# Altium PCB BLDC_DRIVER_1.1_auto.PcbDoc (part 2 of 3) (continued)
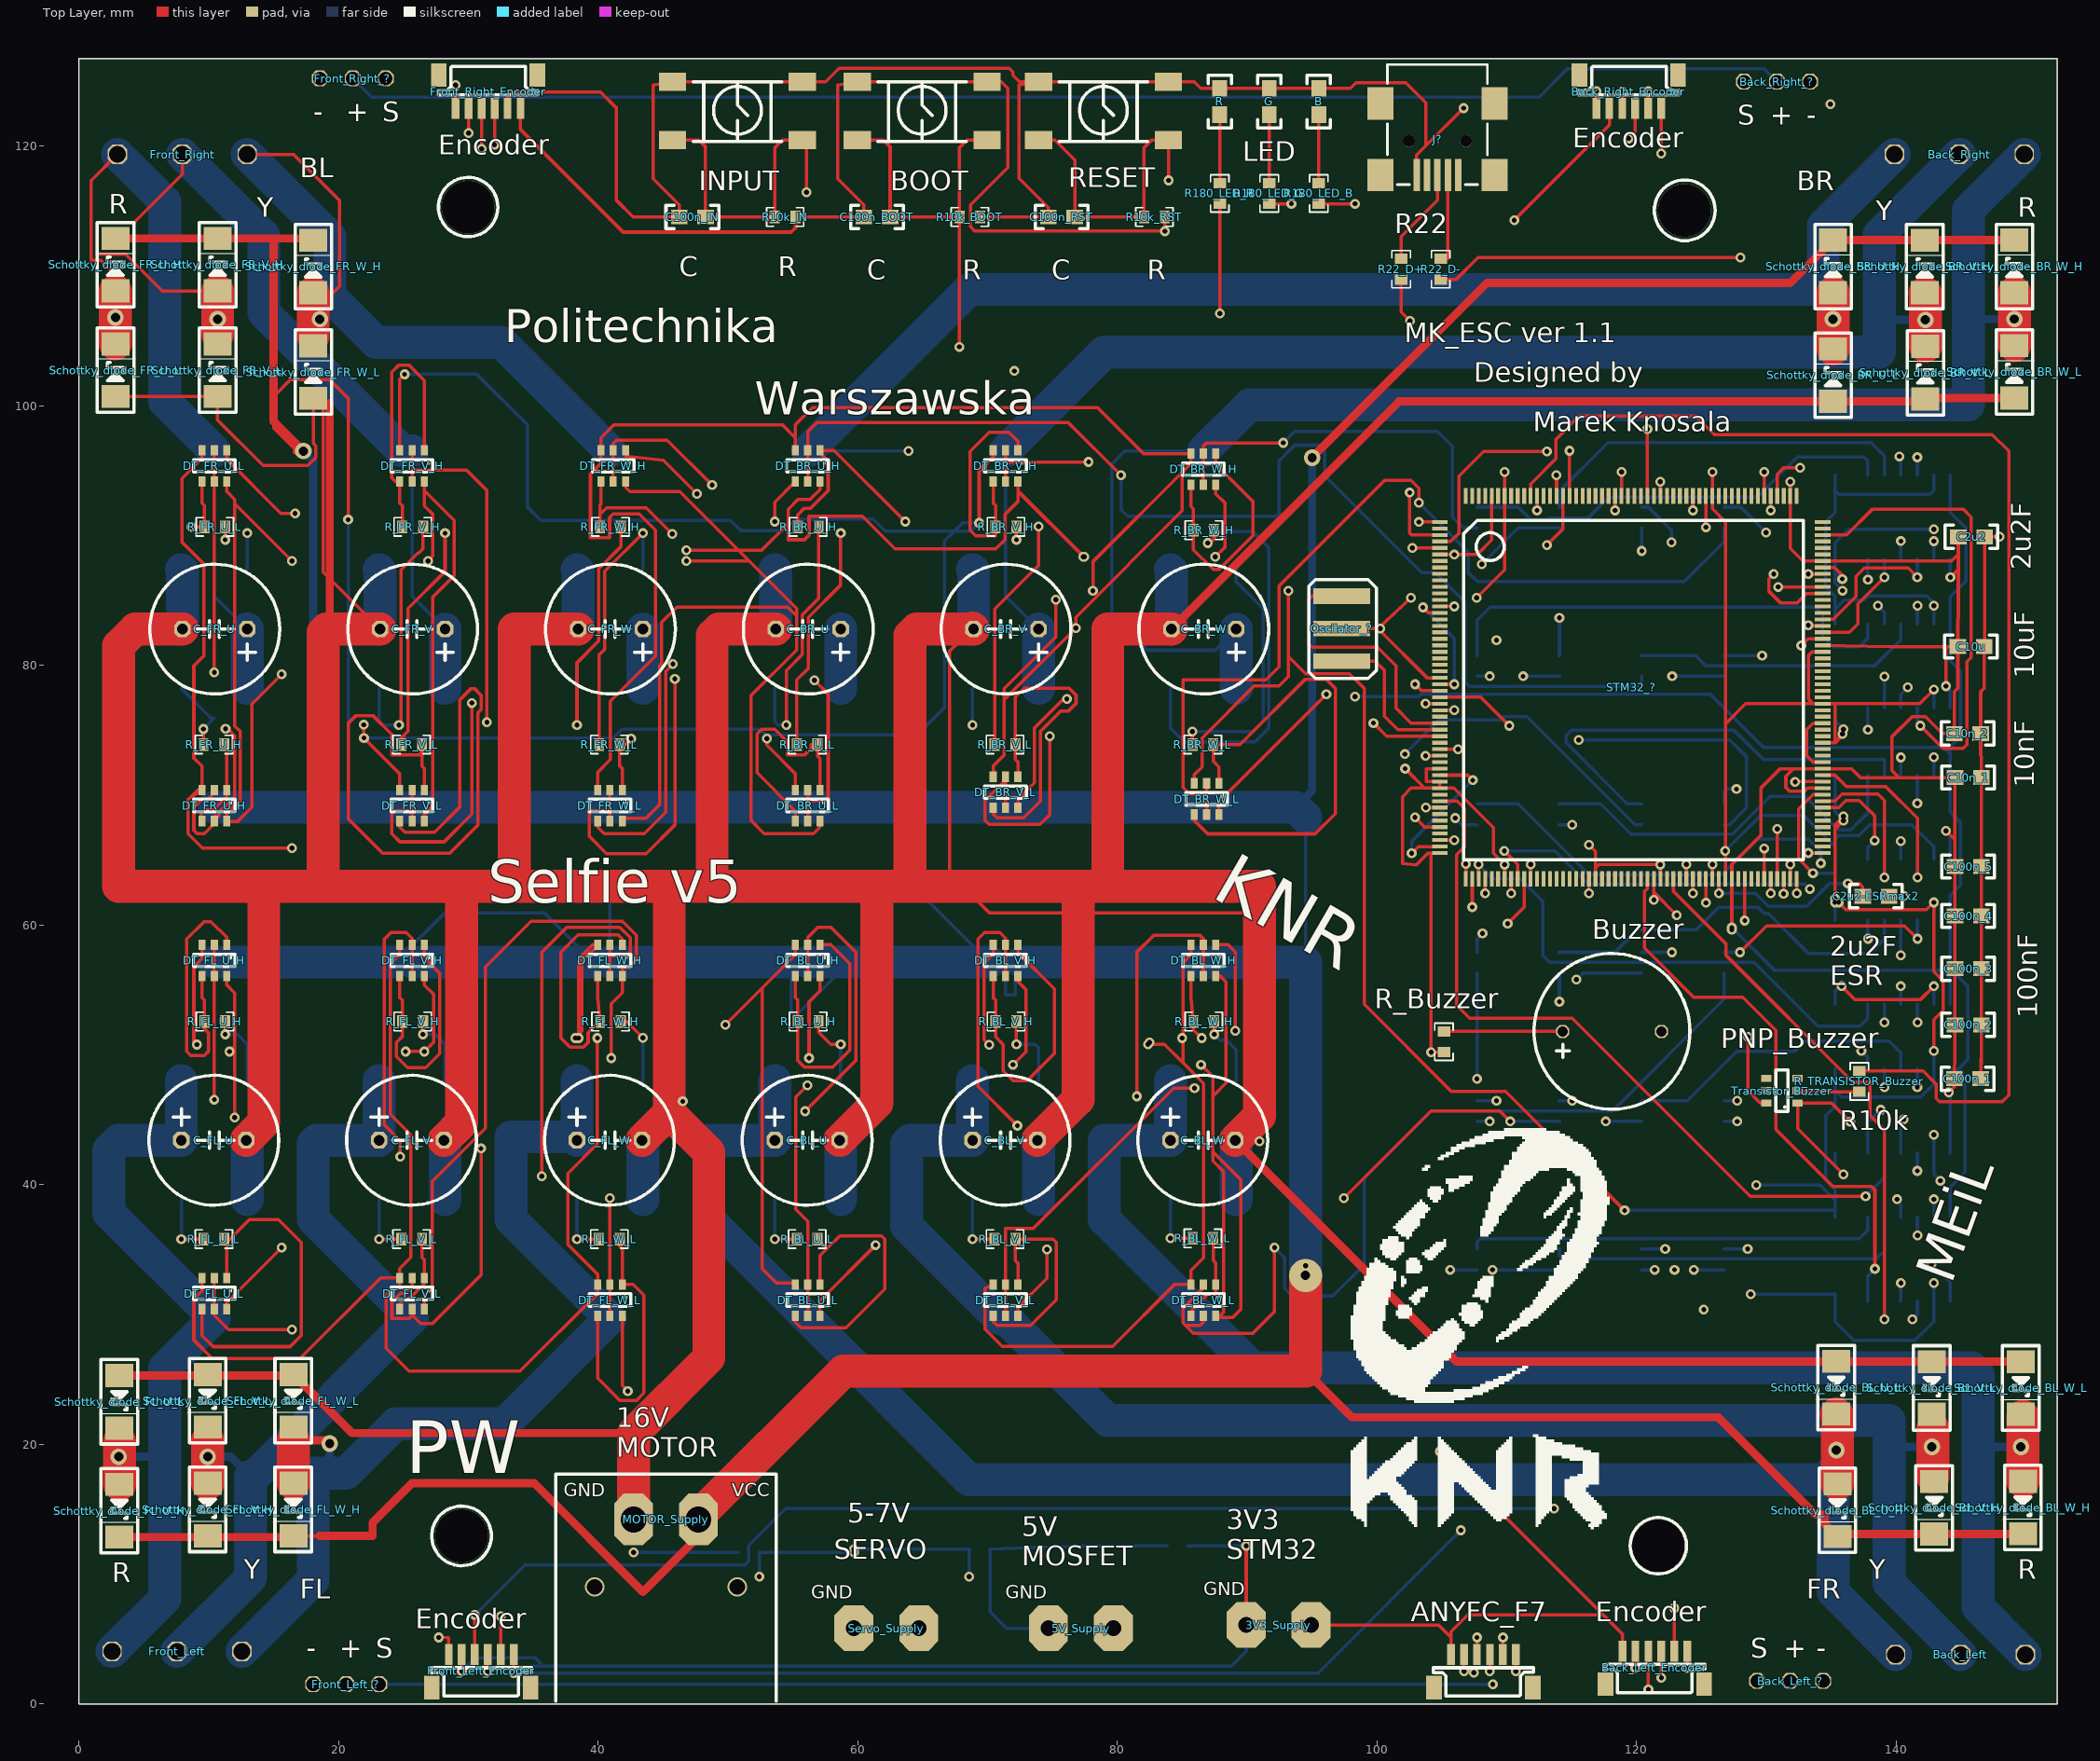
[diagram p0: Top Layer view]
## Nets (pads, with @x,y where several pads share a name; then routed paths per layer and width w, separated by ;. In a path a pad name is that pad's centre, name@x,y a point inside that pad or via, vN(x,y) a via of type N, cw(c..) or ccw(c..) an arc to the next point about the centre after c; other vN are vias at no path point) (continued)
  Signal Layer 2 w0.305: v1(83.947,117.373) 99.212,102.108 99.212,76.08 v1(99.72,75.572)
NetC_FL_U_1: C_FL_U.1 Front_Left.1 MOSFET_FL_U_H.S MOSFET_FL_U_L.D Schottky_diode_FL_U_H.1 Schottky_diode_FL_U_L.2 | length 64.1
  Top Layer w0.254: 3.102,20.233 3.2,20.233 3.2,21.249 Schottky_diode_FL_U_L.2@3.102,21.249
  Top Layer w2.54: Schottky_diode_FL_U_H.1@3.102,16.917 3.102,20.233
  Bottom Layer w0.635: v4(3.048,19.05) 5.842,19.05 6.604,18.288
  Bottom Layer w2.54: Front_Left.1@2.54,4.064 6.604,8.128 6.604,18.288 6.604,25.902 MOSFET_FL_U_L.D@10.414,29.712 2.286,37.84 2.286,42.672 3.048,43.434 C_FL_U.1@7.874,43.434 MOSFET_FL_U_H.S@7.874,48.006
NetC_FL_V_1: C_FL_V.1 Front_Left.2 MOSFET_FL_V_H.S MOSFET_FL_V_L.D Schottky_diode_FL_V_H.1 Schottky_diode_FL_V_L.2 | length 68.2
  Top Layer w0.254: 9.906,20.32 10.008,20.32 10.008,21.336 Schottky_diode_FL_V_L.2@9.906,21.336
  Top Layer w2.54: Schottky_diode_FL_V_H.1@9.906,17.004 v4(9.906,19.05) 9.906,20.32
  Bottom Layer w0.635: v4(9.906,19.05) 11.684,19.05 13.208,17.526
  Bottom Layer w2.54: Front_Left.2@7.54,4.064 13.208,9.732 13.208,17.526 13.468,17.526 MOSFET_FL_V_L.D@25.654,29.712 18.034,37.332 18.034,43.18 18.288,43.434 C_FL_V.1@23.114,43.434 MOSFET_FL_V_H.S@23.114,48.006
NetC_FL_W_1: C_FL_W.1 Front_Left.3 MOSFET_FL_W_H.S MOSFET_FL_W_L.D Schottky_diode_FL_W_H.1 Schottky_diode_FL_W_L.2 | length 84
  Top Layer w0.254: Schottky_diode_FL_W_H.1@16.51,17.004 16.51,20.32 Schottky_diode_FL_W_L.2@16.51,21.336
  Top Layer w0.635: 16.51,20.32 19.05,20.32 v4(19.304,20.066)
  Top Layer w2.54: Schottky_diode_FL_W_H.1@16.51,17.004 16.51,20.32
  Bottom Layer w0.635: 18.034,17.78 19.304,19.05 v4(19.304,20.066)
  Bottom Layer w2.54: Front_Left.3@12.54,4.064 18.034,9.558 18.034,17.78 20.574,17.78 24.378,21.584 32.766,21.584 MOSFET_FL_W_L.D@40.894,29.712 33.274,37.332 33.274,43.688 38.1,43.688 C_FL_W.1@38.354,43.434 MOSFET_FL_W_H.S@38.354,48.006
NetC_FR_U_1: C_FR_U.1 Front_Right.3 MOSFET_FR_U_H.S MOSFET_FR_U_L.D Schottky_diode_FR_U_H.1 Schottky_diode_FR_U_L.2 | length 61.9
  Top Layer w0.254: Schottky_diode_FR_U_H.1@2.794,108.853 2.794,110.109 1.677,111.226 0.927,111.226 0.927,117.353 Front_Right.3@2.954,119.38
  Top Layer w2.54: Schottky_diode_FR_U_L.2@2.794,104.775 v2(2.794,106.814) Schottky_diode_FR_U_H.1@2.794,108.853
  Bottom Layer w0.254: MOSFET_FR_U_L.D@10.414,96.526 10.414,85.344 C_FR_U.1@12.954,82.804
  Bottom Layer w2.54: Front_Right.3@2.954,119.38 6.604,115.73 6.604,100.336 MOSFET_FR_U_L.D@10.414,96.526 ; MOSFET_FR_U_H.S@12.954,78.232 C_FR_U.1@12.954,82.804
NetC_FR_V_1: C_FR_V.1 Front_Right.2 MOSFET_FR_V_H.S MOSFET_FR_V_L.D Schottky_diode_FR_V_H.1 Schottky_diode_FR_V_L.2 | length 76.8
  Top Layer w0.254: Front_Right.2@7.954,119.38 7.954,117.856 4.221,114.123 1.384,114.123 1.384,111.683 3.582,111.683 6.412,108.853 Schottky_diode_FR_V_H.1@10.668,108.853 ; Schottky_diode_FR_V_L.2@10.668,104.775 10.77,104.775 10.77,105.537 Schottky_diode_FR_V_L.2@10.668,105.537
  Top Layer w2.54: Schottky_diode_FR_V_L.2@10.668,105.537 v2(10.668,106.68) Schottky_diode_FR_V_H.1@10.668,108.853
  Bottom Layer w0.254: MOSFET_FR_V_L.D@25.654,96.526 25.654,85.344 C_FR_V.1@28.194,82.804
  Bottom Layer w2.54: Front_Right.2@7.954,119.38 14.224,113.11 14.224,107.188 24.886,96.526 MOSFET_FR_V_L.D@25.654,96.526 ; MOSFET_FR_V_H.S@28.194,78.232 C_FR_V.1@28.194,82.804
NetC_FR_W_1: C_FR_W.1 Front_Right.1 MOSFET_FR_W_H.S MOSFET_FR_W_L.D Schottky_diode_FR_W_H.1 Schottky_diode_FR_W_L.2 | length 103.7
  Top Layer w0.254: Front_Right.1@12.954,119.38 16.51,119.38 20.066,115.824 20.066,109.22 19.558,108.712 19.177,108.712 ; Schottky_diode_FR_W_L.2@18.034,104.634 18.136,104.634 18.136,105.396 Schottky_diode_FR_W_L.2@18.034,105.396 ; Schottky_diode_FR_W_H.1@18.034,108.712 19.177,108.712 ; v2(18.542,106.68) 19.431,107.569 19.431,108.458 19.177,108.712
  Top Layer w2.54: Schottky_diode_FR_W_L.2@18.034,105.396 Schottky_diode_FR_W_H.1@18.034,108.712
  Signal Layer 2 w0.305: v2(18.542,106.68) 19.558,106.68 C_FR_W.1@43.434,82.804
  Bottom Layer w2.54: Front_Right.1@12.954,119.38 19.304,113.03 19.304,108.458 22.86,104.902 32.518,104.902 MOSFET_FR_W_L.D@40.894,96.526 ; MOSFET_FR_W_H.S@43.434,78.232 C_FR_W.1@43.434,82.804
NetDT_BL_U_H_1: DT_BL_U_H.1 DT_BL_U_H.4 R_BL_U_H.1 | length 21
  Top Layer w0.254: DT_BL_U_H.4@55.184,56.076 55.184,54.417 55.372,54.229 R_BL_U_H.1@55.372,52.578 55.372,49.555 55.88,49.047 58.06,49.047 59.385,50.373 59.385,57.023 57.912,58.496 57.084,58.496 DT_BL_U_H.1@57.084,58.476
NetDT_BL_U_H_2: DT_BL_U_H.2 DT_BL_U_H.5 R_DT_BL_U_H.2 | length 87
  Top Layer w0.254: v1(55.931,45.669) 59.842,49.581 59.842,57.912 57.937,59.817 56.896,59.817 56.134,59.055 DT_BL_U_H.2@56.134,58.476 DT_BL_U_H.5@56.134,56.076
  Signal Layer 1 w0.305: v1(55.931,45.669) 56.058,45.796 84.049,45.796 84.658,45.187 87.681,45.187 88.163,45.669 116.84,45.669 v1(117.627,44.882)
  Bottom Layer w0.254: v1(117.627,44.882) R_DT_BL_U_H.2@120.396,44.882
NetDT_BL_U_L_1: DT_BL_U_L.1 DT_BL_U_L.4 R_BL_U_L.1 | length 21.6
  Top Layer w0.254: DT_BL_U_L.4@55.184,29.914 55.184,29.423 55.626,28.981 59.08,28.981 62.078,31.979 62.078,35.814 61.824,36.068 58.608,36.068 57.625,35.085 ; R_BL_U_L.1@56.896,35.814 57.625,35.085 ; DT_BL_U_L.1@57.084,32.314 57.084,34.544 57.625,35.085
NetDT_BL_U_L_2: DT_BL_U_L.2 DT_BL_U_L.5 R_DT_BL_U_L.2 | length 82.5
  Top Layer w0.254: v1(56.109,47.65) 55.22,46.761 55.22,38.1 56.134,37.186 DT_BL_U_L.2@56.134,32.314 DT_BL_U_L.5@56.134,29.914
  Signal Layer 1 w0.305: v1(56.109,47.65) 83.732,47.65 85.179,46.203 86.165,46.203 94.065,54.102 v1(114.046,54.102)
  Bottom Layer w0.254: v1(114.046,54.102) R_DT_BL_U_L.2@114.046,56.312
NetDT_BL_V_H_1: DT_BL_V_H.1 DT_BL_V_H.4 R_BL_V_H.1 | length 22.3
  Top Layer w0.254: DT_BL_V_H.4@70.424,56.076 70.424,54.417 70.612,54.229 R_BL_V_H.1@70.612,52.578 70.612,51.384 71.196,50.8 71.196,48.768 71.933,48.031 73.05,48.031 75.133,50.114 75.133,55.103 72.324,57.912 DT_BL_V_H.1@72.324,58.476
NetDT_BL_V_H_2: DT_BL_V_H.2 DT_BL_V_H.5 R_DT_BL_V_H.2 | length 79.4
  Top Layer w0.254: DT_BL_V_H.5@71.374,56.076 DT_BL_V_H.2@71.374,58.476 71.374,59.004 70.942,59.436 69.748,59.436 69.24,58.928 69.24,47.6 v1(72.288,44.552)
  Signal Layer 1 w0.305: v1(72.288,44.552) 80.975,44.552 83.083,42.443 125.298,42.443 v1(127.737,44.882)
  Bottom Layer w0.254: R_DT_BL_V_H.2@126.746,44.882 v1(127.737,44.882)
NetDT_BL_V_L_1: DT_BL_V_L.1 DT_BL_V_L.4 R_BL_V_L.1 | length 17.5
  Top Layer w0.254: DT_BL_V_L.4@70.424,29.914 70.424,29.464 70.729,29.159 73.304,29.159 75.286,31.14 75.286,35.56 75.032,35.814 R_BL_V_L.1@72.136,35.814 72.136,34.148 72.324,33.96 DT_BL_V_L.1@72.324,32.314
NetDT_BL_V_L_2: DT_BL_V_L.2 DT_BL_V_L.5 R_DT_BL_V_L.2 | length 64.3
  Top Layer w0.254: DT_BL_V_L.5@71.374,29.914 DT_BL_V_L.2@71.374,32.314 71.374,36.627 73.508,36.627 84.328,47.447 v1(85.928,47.447)
  Signal Layer 1 w0.305: v1(85.928,47.447) 94.793,56.312 114.859,56.312 v1(115.367,55.804)
  Bottom Layer w0.254: v1(115.367,55.804) 115.875,56.312 R_DT_BL_V_L.2@120.396,56.312
NetDT_BL_W_H_1: DT_BL_W_H.1 DT_BL_W_H.4 R_BL_W_H.1 | length 16.1
  Top Layer w0.254: DT_BL_W_H.4@85.664,56.076 85.664,54.417 R_BL_W_H.1@85.852,52.578 85.852,51.943 v1(86.487,51.308) ; DT_BL_W_H.1@87.564,58.476 87.564,58.496 88.519,58.496 89.078,57.937 v1(89.078,51.867)
  Signal Layer 1 w0.305: v1(86.487,51.308) 86.995,50.8 88.011,50.8 v1(89.078,51.867)
NetDT_BL_W_H_2: DT_BL_W_H.2 DT_BL_W_H.5 R_DT_BL_W_H.2 | length 55.6
  Top Layer w0.254: v1(81.483,46.812) 81.483,57.912 82.779,59.207 86.36,59.207 86.614,58.953 DT_BL_W_H.2@86.614,58.476 DT_BL_W_H.5@86.614,56.076
  Signal Layer 1 w0.305: v1(81.483,46.812) 83.845,46.812 84.963,45.695 86.893,45.695 89.357,48.158 v1(107.696,48.158)
  Bottom Layer w0.254: v1(107.696,48.158) R_DT_BL_W_H.2@107.696,56.312
NetDT_BL_W_L_1: DT_BL_W_L.1 DT_BL_W_L.4 R_BL_W_L.1 | length 7.2
  Top Layer w0.254: DT_BL_W_L.4@85.664,29.914 85.664,30.28 86.956,31.572 87.564,31.572 DT_BL_W_L.1@87.564,32.314 87.564,33.985 87.376,34.173 R_BL_W_L.1@87.376,35.872
NetDT_BL_W_L_2: DT_BL_W_L.2 DT_BL_W_L.5 R_DT_BL_W_L.2 | length 71.6
  Top Layer w0.254: DT_BL_W_L.5@86.614,29.914 86.614,29.413 86.36,29.159 85.242,29.159 ; DT_BL_W_L.2@86.614,32.314 86.614,32.055 85.039,30.48 85.039,29.362 85.242,29.159 ; v1(92.1,35.154) 92.1,30.226 90.424,28.55 85.852,28.55 85.242,29.159
  Bottom Layer w0.254: v1(92.1,35.154) 92.888,34.366 92.888,32.004 93.472,31.42 96.571,31.42 99.009,33.858 99.009,40.513 104.191,45.695 118.135,45.695 126.746,54.305 R_DT_BL_W_L.2@126.746,56.312
NetDT_BR_U_H_1: DT_BR_U_H.1 DT_BR_U_H.4 R_BR_U_H.1 | length 30.1
  Top Layer w0.254: v1(53.594,91.084) 53.594,92.586 DT_BR_U_H.4@55.184,94.176 ; R_BR_U_H.1@55.372,90.678 55.372,91.618 55.88,92.126 56.363,92.126 57.709,93.472 57.709,95.734 57.084,96.359 DT_BR_U_H.1@57.084,96.576 58.161,96.576 v1(63.652,91.084)
  Signal Layer 1 w0.305: v1(53.594,91.084) v1(63.652,91.084)
NetDT_BR_U_H_2: DT_BR_U_H.2 DT_BR_U_H.5 R_DT_BR_U_H.2 | length 90.7
  Top Layer w0.254: DT_BR_U_H.5@56.134,94.176 DT_BR_U_H.2@56.134,96.576 56.134,98.019 56.845,98.73 76.2,98.73 v1(80.264,94.666)
  Bottom Layer w0.254: v1(80.264,94.666) 80.264,91.999 80.772,91.491 92.202,91.491 92.456,91.745 92.456,95.783 93.65,96.977 95.504,96.977 95.961,96.52 95.961,94.615 103.429,87.147 104.496,87.147 106.756,84.887 106.756,78.74 107.112,78.384 120.142,78.384 120.396,78.638 R_DT_BR_U_H.2@120.396,79.172
NetDT_BR_U_L_1: DT_BR_U_L.1 DT_BR_U_L.4 R_BR_U_L.1 | length 18.3
  Top Layer w0.254: DT_BR_U_L.4@55.184,68.014 55.184,68.783 52.222,71.745 52.222,74.727 52.578,75.082 53.59,75.082 54.572,74.1 54.572,73.101 55.88,73.101 56.388,73.609 56.388,73.914 R_BR_U_L.1@56.896,73.914 56.896,73.02 57.084,72.832 DT_BR_U_L.1@57.084,70.414
NetDT_BR_U_L_2: DT_BR_U_L.2 DT_BR_U_L.5 R_DT_BR_U_L.2 | length 75.9
  Top Layer w0.254: DT_BR_U_L.5@56.134,68.014 56.134,69.85 ; DT_BR_U_L.2@56.134,70.414 56.134,69.85 ; v1(56.642,78.867) 57.709,77.8 57.709,69.85 57.455,69.596 56.388,69.596 56.134,69.85
  Signal Layer 1 w0.305: v1(56.642,78.867) 58.166,80.391 78.664,80.391 82.906,84.633 98.019,84.633 101.194,87.808 v1(108.077,87.808)
  Bottom Layer w0.254: v1(108.077,87.808) 110.871,90.602 R_DT_BR_U_L.2@114.046,90.602
NetDT_BR_V_H_1: DT_BR_V_H.1 DT_BR_V_H.4 R_BR_V_H.1 | length 17.8
  Top Layer w0.254: DT_BR_V_H.4@70.424,94.176 70.424,92.517 70.612,92.329 R_BR_V_H.1@70.612,90.678 70.612,89.992 69.063,89.992 68.631,90.424 68.631,96.495 70.104,97.968 71.628,97.968 72.324,97.272 DT_BR_V_H.1@72.324,96.576
NetDT_BR_V_H_2: DT_BR_V_H.2 DT_BR_V_H.5 R_DT_BR_V_H.2 | length 71.7
  Top Layer w0.254: DT_BR_V_H.5@71.374,94.176 71.374,96.012 ; DT_BR_V_H.2@71.374,96.576 71.374,96.012 ; v1(77.775,95.682) 71.704,95.682 71.374,96.012
  Signal Layer 1 w0.305: v1(77.775,95.682) 90.043,95.682 90.754,94.971 107.163,94.971 109.214,92.919 112.643,92.919 113.055,92.507 113.055,90.373 112.344,89.662 112.344,82.337 115.509,79.172 v1(122.733,79.172)
  Bottom Layer w0.254: v1(122.733,79.172) R_DT_BR_V_H.2@126.746,79.172
NetDT_BR_V_L_1: DT_BR_V_L.1 DT_BR_V_L.4 R_BR_V_L.1 | length 25.8
  Top Layer w0.254: DT_BR_V_L.4@70.424,69.03 70.424,68.58 70.729,68.275 72.771,68.275 74.066,69.571 74.066,74.93 75.616,76.479 76.2,76.479 76.81,77.089 76.81,77.724 76.276,78.257 72.822,78.257 72.136,77.572 R_BR_V_L.1@72.136,73.914 72.136,72.756 72.324,72.568 DT_BR_V_L.1@72.324,71.43
NetDT_BR_V_L_2: DT_BR_V_L.2 DT_BR_V_L.5 R_DT_BR_V_L.2 | length 74.2
  Top Layer w0.254: DT_BR_V_L.5@71.374,69.03 71.374,70.993 ; DT_BR_V_L.2@71.374,71.43 71.374,70.993 ; v1(74.778,74.549) 74.778,68.508 74.037,67.767 70.104,67.767 69.799,68.072 69.799,69.596 71.196,70.993 71.374,70.993
  Signal Layer 2 w0.305: v1(74.778,74.549) 75.413,73.914 100.552,73.914 100.965,74.327 100.965,79.248 102.52,80.803 106.432,80.803 112.776,87.147 118.72,87.147 v1(120.396,88.824)
  Bottom Layer w0.254: v1(120.396,88.824) R_DT_BR_V_L.2@120.396,90.602
NetDT_BR_W_H_1: DT_BR_W_H.1 DT_BR_W_H.4 R_BR_W_H.1 | length 18.9
  Top Layer w0.254: DT_BR_W_H.4@85.664,93.922 85.664,92.263 85.852,92.075 R_BR_W_H.1@85.852,90.424 85.852,88.925 87.376,87.401 87.835,87.401 90.424,89.99 90.424,92.644 87.564,95.504 DT_BR_W_H.1@87.564,96.322
NetDT_BR_W_H_2: DT_BR_W_H.2 DT_BR_W_H.5 R_DT_BR_W_H.2 | length 30.8
  Top Layer w0.254: DT_BR_W_H.5@86.614,93.922 DT_BR_W_H.2@86.614,96.322 86.614,96.901 86.868,97.155 v1(92.761,97.155)
  Bottom Layer w0.254: v1(92.761,97.155) 93.65,98.044 104.648,98.044 105.816,96.876 105.816,91.44 106.655,90.602 R_DT_BR_W_H.2@107.696,90.602
NetDT_BR_W_L_1: DT_BR_W_L.1 DT_BR_W_L.4 R_BR_W_L.1 | length 37
  Top Layer w0.254: DT_BR_W_L.4@85.918,68.522 85.918,68.072 86.959,67.031 95.225,67.031 96.799,68.605 96.799,78.232 96.114,78.918 94.437,78.918 89.433,73.914 R_BR_W_L.1@87.376,73.914 87.376,72.629 87.818,72.187 DT_BR_W_L.1@87.818,70.922
NetDT_BR_W_L_2: DT_BR_W_L.2 DT_BR_W_L.5 R_DT_BR_W_L.2 | length 71.7
  Top Layer w0.254: DT_BR_W_L.5@86.868,68.522 86.868,70.358 ; DT_BR_W_L.2@86.868,70.922 86.868,70.358 ; v1(103.226,92.532) 103.226,93.65 102.616,94.259 100.584,94.259 92.456,86.131 92.456,79.908 91.44,78.892 85.065,78.892 85.039,78.867 85.039,70.612 85.547,70.104 86.614,70.104 86.868,70.358
  Bottom Layer w0.254: v1(103.226,92.532) 107.01,88.748 107.01,87.173 107.696,86.487 123.698,86.487 126.746,89.535 R_DT_BR_W_L.2@126.746,90.602
NetDT_FL_U_H_1: DT_FL_U_H.1 DT_FL_U_H.4 R_FL_U_H.1 | length 21.3
  Top Layer w0.254: DT_FL_U_H.4@9.464,56.076 9.464,54.417 9.652,54.229 R_FL_U_H.1@9.652,52.578 9.652,52.019 9.957,51.714 9.957,50.267 9.652,49.962 8.611,49.962 8.28,50.292 8.28,58.928 9.627,60.274 10.16,60.274 11.364,59.07 DT_FL_U_H.1@11.364,58.476
NetDT_FL_U_H_2: DT_FL_U_H.2 DT_FL_U_H.5 R_DT_FL_U_H.2 | length 114.6
  Top Layer w0.254: v1(10.414,46.558) DT_FL_U_H.5@10.414,56.076 DT_FL_U_H.2@10.414,58.476
  Signal Layer 1 w0.305: v1(10.414,46.558) 15.646,46.558 24.74,37.465 101.625,37.465 v1(105.639,33.452)
  Bottom Layer w0.254: v1(105.639,33.452) R_DT_FL_U_H.2@107.696,33.452
NetDT_FL_U_L_1: DT_FL_U_L.1 DT_FL_U_L.4 R_FL_U_L.1 | length 27.8
  Top Layer w0.254: DT_FL_U_L.4@9.464,30.422 9.464,28.39 10.32,27.534 16.256,27.534 17.12,28.397 17.12,35.56 15.367,37.313 13.117,37.313 R_FL_U_L.1@11.364,35.56 ; R_FL_U_L.1@11.176,35.814 R_FL_U_L.1@11.364,35.56 ; DT_FL_U_L.1@11.364,32.822 R_FL_U_L.1@11.364,35.56
NetDT_FL_U_L_2: DT_FL_U_L.2 DT_FL_U_L.5 R_DT_FL_U_L.2 | length 125.7
  Top Layer w0.254: DT_FL_U_L.2@10.414,32.822 DT_FL_U_L.5@10.414,30.422 10.414,29.949 11.515,28.848 v1(16.408,28.848)
  Signal Layer 1 w0.305: v1(16.408,28.848) 21.139,33.579 80.34,33.579 83.464,36.703 97.028,36.703 101.956,31.775 122.733,31.775 v1(124.409,33.452)
  Bottom Layer w0.254: v1(124.409,33.452) R_DT_FL_U_L.2@126.746,33.452
NetDT_FL_V_H_1: DT_FL_V_H.1 DT_FL_V_H.4 R_FL_V_H.1 | length 19.5
  Top Layer w0.254: DT_FL_V_H.4@24.704,56.076 24.704,54.417 24.892,54.229 R_FL_V_H.1@24.892,52.578 24.892,51.41 24.435,50.952 24.435,49.886 25.298,49.022 26.703,49.022 27.788,50.106 27.788,56.297 26.604,57.48 DT_FL_V_H.1@26.604,58.476
NetDT_FL_V_H_2: DT_FL_V_H.2 DT_FL_V_H.5 R_DT_FL_V_H.2 | length 115.6
  Top Layer w0.254: v1(24.74,42.164) 24.74,43.383 23.52,44.602 23.52,58.928 24.028,59.436 25.197,59.436 25.654,58.979 DT_FL_V_H.2@25.654,58.476 DT_FL_V_H.5@25.654,56.076
  Signal Layer 1 w0.305: v1(24.74,42.164) 24.968,41.935 100.406,41.935 v1(108.89,33.452)
  Bottom Layer w0.254: v1(108.89,33.452) R_DT_FL_V_H.2@114.046,33.452
NetDT_FL_V_L_1: DT_FL_V_L.1 DT_FL_V_L.4 R_FL_V_L.1 | length 6.5
  Top Layer w0.254: DT_FL_V_L.4@24.704,30.422 24.704,30.845 25.05,31.191 25.4,31.191 26.604,32.395 DT_FL_V_L.1@26.604,32.822 26.604,34.214 26.416,34.402 R_FL_V_L.1@26.416,35.814
NetDT_FL_V_L_2: DT_FL_V_L.2 DT_FL_V_L.5 R_DT_FL_V_L.2 | length 103.1
  Top Layer w0.254: DT_FL_V_L.5@25.654,30.422 25.654,29.972 ; DT_FL_V_L.2@25.654,32.822 25.654,32.092 25.211,31.648 24.765,31.648 24.099,30.982 24.099,29.692 25.4,29.692 25.654,29.946 25.654,29.972 ; v1(30.963,42.799) 30.963,33.045 27.229,29.312 26.314,29.312 25.654,29.972
  Signal Layer 1 w0.305: v1(30.963,42.799) 32.588,44.425 69.825,44.425 70.688,45.288 72.771,45.288 72.949,45.11 82.804,45.11 83.236,44.679 108.483,44.679 v1(108.687,44.882)
  Bottom Layer w0.254: R_DT_FL_V_L.2@107.696,44.882 v1(108.687,44.882)
NetDT_FL_W_H_1: DT_FL_W_H.1 DT_FL_W_H.4 R_FL_W_H.1 | length 20.6
  Top Layer w0.254: DT_FL_W_H.4@39.944,56.076 39.944,54.417 R_FL_W_H.1@40.132,52.578 40.081,52.578 39.218,51.714 39.218,50.952 38.862,50.597 37.821,50.597 37.109,51.308 37.109,57.912 38.456,59.258 41.514,59.258 41.844,58.928 DT_FL_W_H.1@41.844,58.476
NetDT_FL_W_H_2: DT_FL_W_H.2 DT_FL_W_H.5 R_DT_FL_W_H.2 | length 120.9
  Top Layer w0.254: v1(35.636,40.665) 35.636,57.912 37.567,59.842 41.656,59.842 42.469,59.03 42.469,57.912 42.215,57.658 41.148,57.658 40.894,57.912 ; DT_FL_W_H.5@40.894,56.076 40.894,57.912 ; DT_FL_W_H.2@40.894,58.476 40.894,57.912
  Signal Layer 1 w0.305: v1(35.636,40.665) 99.898,40.665 107.848,32.715 120.65,32.715 v1(121.387,33.452)
  Bottom Layer w0.254: R_DT_FL_W_H.2@120.396,33.452 v1(121.387,33.452)
NetDT_FL_W_L_1: DT_FL_W_L.1 DT_FL_W_L.4 R_FL_W_L.1 | length 22.5
  Top Layer w0.254: DT_FL_W_L.4@39.944,29.914 39.944,25.105 41.656,23.393 42.951,23.393 43.51,23.952 43.51,31.496 42.672,32.334 DT_FL_W_L.1@41.844,32.334 ; R_FL_W_L.1@41.656,35.814 41.656,35.291 41.844,35.103 DT_FL_W_L.1@41.844,32.334 ; DT_FL_W_L.1@41.844,32.314 DT_FL_W_L.1@41.844,32.334
NetDT_FL_W_L_2: DT_FL_W_L.2 DT_FL_W_L.5 R_DT_FL_W_L.2 | length 85.3
  Top Layer w0.254: DT_FL_W_L.5@40.894,29.914 DT_FL_W_L.2@40.894,32.314 v1(40.894,38.964) ; v1(97.434,38.964) 104.165,45.695 109.449,45.695 v1(110.261,44.882)
  Signal Layer 1 w0.305: v1(40.894,38.964) v1(97.434,38.964)
  Bottom Layer w0.254: v1(110.261,44.882) R_DT_FL_W_L.2@114.046,44.882
NetDT_FR_U_H_1: DT_FR_U_H.1 DT_FR_U_H.4 R_FR_U_H.1 | length 7.2
  Top Layer w0.254: DT_FR_U_H.4@9.464,68.014 9.406,68.072 9.406,68.58 9.694,68.868 10.321,68.868 11.364,69.911 DT_FR_U_H.1@11.364,70.414 11.364,73.726 R_FR_U_H.1@11.176,73.914
NetDT_FR_U_H_2: DT_FR_U_H.2 DT_FR_U_H.5 R_DT_FR_U_H.2 | length 124
  Top Layer w0.254: DT_FR_U_H.2@10.414,70.414 10.414,70.358 10.414,70.18 9.906,69.672 9.423,69.672 8.839,69.088 8.839,67.31 9.093,67.056 9.648,67.056 10.414,67.822 DT_FR_U_H.5@10.414,68.014 10.414,68.377 10.744,68.377 10.744,68.645 11.969,69.87 11.969,74.594 11.43,75.133 v1(11.278,75.133)
  Signal Layer 1 w0.305: v1(11.278,75.133) 15.189,71.222 97.027,71.222 101.244,67.005 103.158,67.005 104.378,65.786 106.971,65.786 108.927,67.742 v1(115.037,67.742)
  Bottom Layer w0.254: R_DT_FR_U_H.2@114.046,67.742 v1(115.037,67.742)
NetDT_FR_U_L_1: DT_FR_U_L.1 DT_FR_U_L.4 R_FR_U_L.1 | length 20.7
  Top Layer w0.254: v1(8.661,90.678) R_FR_U_L.1@9.652,90.678 9.652,92.329 9.464,92.517 DT_FR_U_L.4@9.464,94.176 ; DT_FR_U_L.1@11.364,96.576 11.364,95.9 15.545,91.719 v1(16.637,91.719)
  Signal Layer 1 w0.305: v1(8.661,90.678) 9.703,91.719 v1(16.637,91.719)
NetDT_FR_U_L_2: DT_FR_U_L.2 DT_FR_U_L.5 R_DT_FR_U_L.2 | length 119.2
  Top Layer w0.254: v1(10.414,79.477) DT_FR_U_L.5@10.414,94.176 DT_FR_U_L.2@10.414,96.576
  Signal Layer 1 w0.305: v1(10.414,79.477) 12.268,77.622 24.917,77.622 29.235,73.304 99.06,73.304 101.321,71.044 103.226,71.044 v1(106.02,68.25)
  Bottom Layer w0.254: v1(106.02,68.25) 106.528,67.742 R_DT_FR_U_L.2@107.696,67.742
NetDT_FR_V_H_1: DT_FR_V_H.1 DT_FR_V_H.4 R_FR_V_H.1 | length 21.1
  Top Layer w0.254: DT_FR_V_H.4@24.704,94.176 DT_FR_V_H.4@24.704,94.158 ; R_FR_V_H.1@24.892,90.678 24.892,92.329 24.704,92.517 DT_FR_V_H.4@24.704,94.158 ; DT_FR_V_H.1@26.604,96.576 26.604,101.945 25.4,103.149 24.638,103.149 24.079,102.591 24.079,94.463 24.384,94.158 DT_FR_V_H.4@24.704,94.158
NetDT_FR_V_H_2: DT_FR_V_H.2 DT_FR_V_H.5 R_DT_FR_V_H.2 | length 121.8
  Top Layer w0.254: DT_FR_V_H.5@25.654,94.176 25.654,94.818 ; DT_FR_V_H.2@25.654,96.576 25.654,94.818 ; v1(31.42,75.641) 31.42,93.472 29.82,95.072 25.908,95.072 25.654,94.818
  Signal Layer 1 w0.305: v1(31.42,75.641) 31.928,76.149 81.61,76.149 83.668,74.092 101.219,74.092 v1(102.133,73.177)
  Bottom Layer w0.254: v1(102.133,73.177) 104.75,75.794 109.474,75.794 109.753,76.073 111.557,76.073 119.888,67.742 R_DT_FR_V_H.2@120.396,67.742
NetDT_FR_V_L_1: DT_FR_V_L.1 DT_FR_V_L.4 R_FR_V_L.1 | length 57.8
  Top Layer w0.254: DT_FR_V_L.4@24.704,68.014 24.704,67.564 25.11,67.158 27.381,67.158 29.337,69.113 29.337,77.368 30.201,78.232 30.455,78.232 30.963,77.724 30.963,76.606 30.709,76.352 30.709,67.691 28.575,65.557 23.368,65.557 20.728,68.197 20.728,75.541 21.336,76.149 22.631,76.149 24.092,74.689 24.092,73.101 26.162,73.101 26.416,73.355 ; R_FR_V_L.1@26.416,73.914 26.416,73.355 ; DT_FR_V_L.1@26.604,70.414 26.604,72.06 26.416,72.248 26.416,73.355
NetDT_FR_V_L_2: DT_FR_V_L.2 DT_FR_V_L.5 R_DT_FR_V_L.2 | length 102.9
  Top Layer w0.254: DT_FR_V_L.5@25.654,68.014 25.654,68.555 ; DT_FR_V_L.2@25.654,70.414 25.654,68.555 ; v1(30.251,77.114) 30.251,68.555 28.118,66.421 24.714,66.421 24.079,67.056 24.079,68.809 25.4,68.809 25.654,68.555
  Signal Layer 1 w0.305: v1(30.251,77.114) 58.395,77.114 59.69,78.41 90.068,78.41 91.973,80.315 107.544,80.315 v1(108.687,79.172)
  Bottom Layer w0.254: R_DT_FR_V_L.2@107.696,79.172 v1(108.687,79.172)
NetDT_FR_W_H_1: DT_FR_W_H.1 DT_FR_W_H.4 R_FR_W_H.1 | length 21.1
  Top Layer w0.254: R_FR_W_H.1@40.132,90.678 40.132,91.643 ; DT_FR_W_H.4@40.198,94.176 40.198,92.446 40.132,92.38 40.132,91.643 ; DT_FR_W_H.1@42.098,96.576 42.098,96.129 45.009,95.809 v1(47.6,93.218) ; v1(45.707,90.132) 43.688,92.151 40.64,92.151 40.132,91.643
  Signal Layer 1 w0.305: v1(45.707,90.132) 47.6,92.024 v1(47.6,93.218)
NetDT_FR_W_H_2: DT_FR_W_H.2 DT_FR_W_H.5 R_DT_FR_W_H.2 | length 116.1
  Top Layer w0.254: DT_FR_W_H.5@41.148,94.176 DT_FR_W_H.2@41.148,96.576 41.148,97.104 41.402,97.358 45.314,97.358 v1(48.768,93.904)
  Signal Layer 1 w0.305: v1(48.768,93.904) 48.768,85.623 56.261,78.13 57.023,78.13 58.42,79.527 87.833,79.527 90.246,81.94 v1(109.195,81.94)
  Signal Layer 2 w0.305: v1(109.195,81.94) 110.033,81.102 111.125,81.102 115.545,76.683 v1(115.545,74.27)
  Bottom Layer w0.254: v1(115.545,74.27) 127.173,74.27 128.448,72.995 128.448,69.012 127.178,67.742 R_DT_FR_W_H.2@126.746,67.742
NetDT_FR_W_L_1: DT_FR_W_L.1 DT_FR_W_L.4 R_FR_W_L.1 | length 56.3
  Top Layer w0.254: DT_FR_W_L.4@39.944,68.014 39.944,67.564 40.452,67.056 43.536,67.056 45.187,68.707 45.187,79.553 v1(45.745,80.112) ; DT_FR_W_L.1@41.844,70.414 41.844,72.06 41.656,72.248 R_FR_W_L.1@41.656,73.914 42.062,73.914 v1(42.52,74.371)
  Signal Layer 1 w0.305: v1(42.52,74.371) 30.074,74.371 29.464,74.981 29.464,77.978 31.598,80.112 v1(45.745,80.112)
NetDT_FR_W_L_2: DT_FR_W_L.2 DT_FR_W_L.5 R_DT_FR_W_L.2 | length 96.3
  Top Layer w0.254: DT_FR_W_L.5@40.894,68.014 40.894,68.555 ; DT_FR_W_L.2@40.894,70.414 40.894,68.555 ; v1(45.898,78.969) 45.898,67.716 43.688,65.507 40.64,65.507 39.319,66.827 39.319,68.809 40.64,68.809 40.894,68.555
  Signal Layer 1 w0.305: v1(45.898,78.969) 54.051,78.969 55.397,77.622 57.887,77.622 59.233,78.969 89.909,78.969 92.052,81.112 109.311,81.112 v1(111.251,79.172)
  Bottom Layer w0.254: v1(111.251,79.172) R_DT_FR_W_L.2@114.046,79.172
NetFront_Left_?_3: Front_Left_?.3 STM32_?.45 | length 159.6
  Top Layer w0.254: v1(103.753,69.063) 103.76,69.056 STM32_?.45@104.83,69.056
  Signal Layer 2 w0.305: v1(103.753,69.063) 105.303,67.513 106.477,67.513 109.068,64.922 109.068,51.054 110.998,49.124 110.998,23.241 108.712,20.955 108.712,4.877 109.423,4.166 109.423,2.032 v1(108.915,1.524)
  Bottom Layer w0.254: Front_Left_?.3@23.114,1.524 v1(108.915,1.524)
NetFront_Left_Encoder_3: Front_Left_Encoder.3 STM32_?.173 | length 173.4
  Top Layer w0.254: Front_Left_Encoder.3@30.478,3.82 v1(30.478,6.883) ; STM32_?.173@124.33,93.056 124.33,91.951 v1(124.333,91.948)
  Signal Layer 2 w0.305: v1(113.64,15.062) 113.64,47.828 118.313,52.502 118.313,76.302 124.333,82.321 v1(124.333,91.948)
  Bottom Layer w0.254: v1@30.251,6.629 34.341,10.719 51.308,10.719 51.587,10.998 51.587,12.217 54.432,15.062 v1(113.64,15.062) ; v1(30.478,6.883) v1@30.759,6.883
NetFront_Left_Encoder_4: Front_Left_Encoder.4 STM32_?.178 | length 155.4
  Top Layer w0.254: v1(31.471,2.515) 31.478,2.522 Front_Left_Encoder.4@31.478,3.82 ; v1(121.818,94.158) 121.83,94.146 STM32_?.178@121.83,93.056
  Signal Layer 2 w0.305: v1@31.242,2.286 31.478,2.522 31.478,3.284 40.31,12.116 40.31,20.32 48.743,28.753 48.743,54.051 70.993,76.302 91.059,76.302 92.525,74.835 100.108,74.835 100.457,75.184 100.457,80.467 101.6,81.61 106.147,81.61 113.081,88.544 116.205,88.544 v1(121.818,94.158)